# KiCad board keyboard.kicad_pcb (continued)
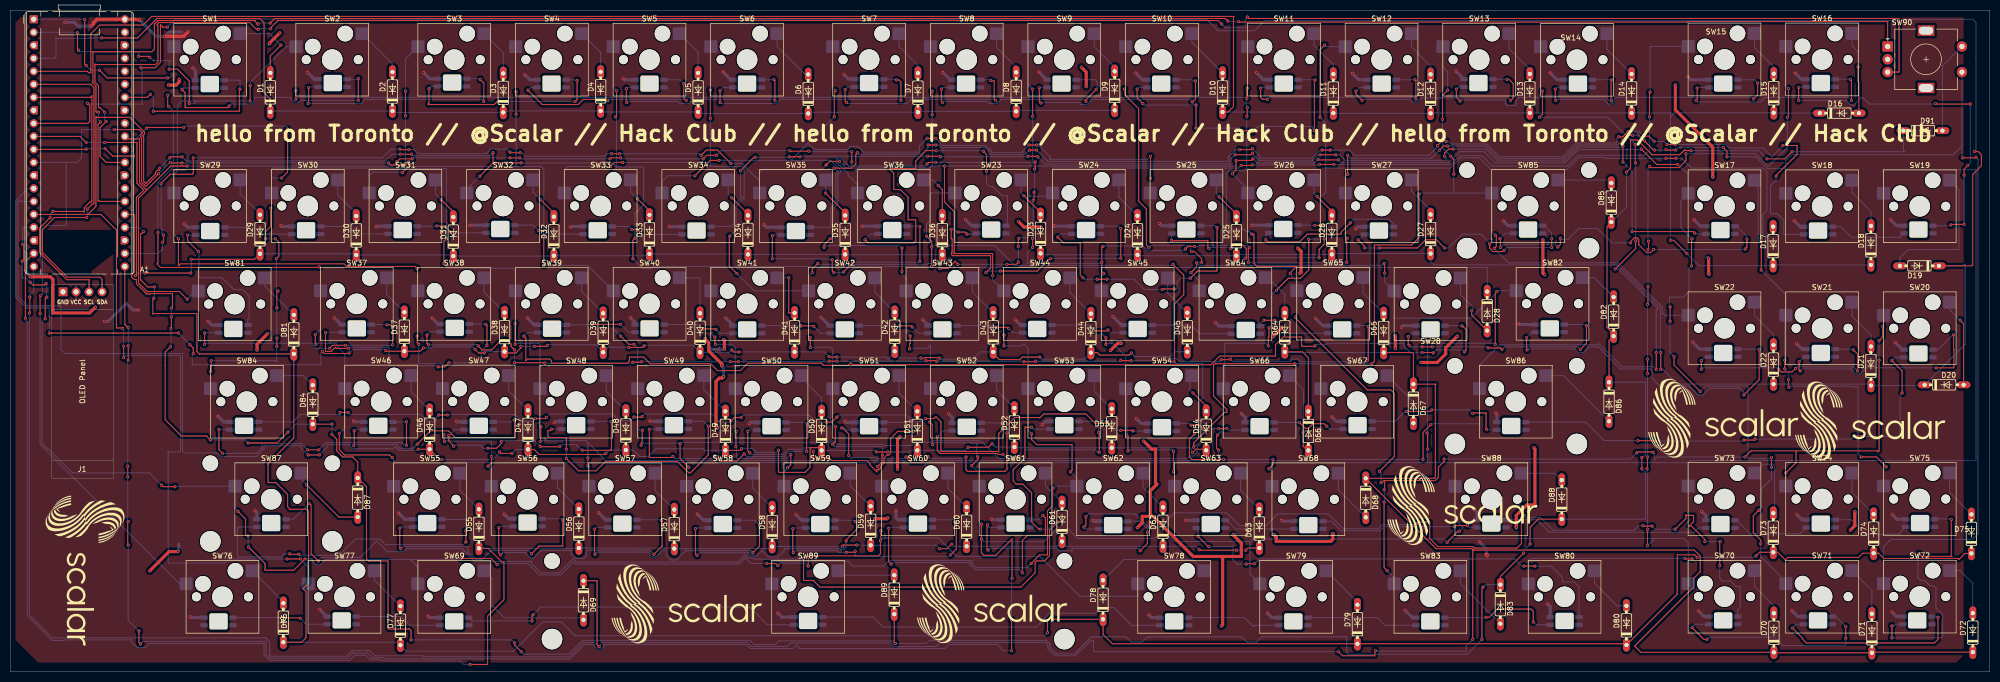
[diagram p0: board, top side]
## Nets
3V3: A1.36
+5V: A1.40 J1.2 LED1.1 LED2.1 LED3.1 LED4.1 LED5.1 LED6.1 LED7.1 LED8.1 LED9.1 LED10.1 LED11.1 LED12.1 LED13.1 LED14.1 LED15.1 LED16.1 LED17.1 LED18.1 LED19.1 LED20.1 LED21.1 LED22.1 LED23.1 LED24.1 LED25.1 LED26.1 LED27.1 LED28.1 LED29.1 LED30.1 LED31.1 LED32.1 LED33.1 LED34.1 LED35.1 LED36.1 LED37.1 LED38.1 LED39.1 LED40.1 LED41.1 LED42.1 LED43.1 LED44.1 LED45.1 LED46.1 LED47.1 LED48.1 LED49.1 LED50.1 LED51.1 LED52.1 LED53.1 LED54.1 LED55.1 LED56.1 LED57.1 LED58.1 LED59.1 LED60.1 LED61.1 LED62.1 LED63.1 LED64.1 LED65.1 LED66.1 LED67.1 LED68.1 LED69.1 LED70.1 LED71.1 LED72.1 LED73.1 LED74.1 LED75.1 LED76.1 LED77.1 LED78.1 LED79.1 LED80.1 LED81.1 LED82.1 LED83.1 LED84.1 LED85.1 LED86.1 LED87.1 LED88.1 LED89.1
GND: A1.3 A1.8 A1.13 A1.18 A1.23 A1.28 A1.38 J1.1 LED1.3 LED2.3 LED3.3 LED4.3 LED5.3 LED6.3 LED7.3 LED8.3 LED9.3 LED10.3 LED11.3 LED12.3 LED13.3 LED14.3 LED15.3 LED16.3 LED17.3 LED18.3 LED19.3 LED20.3 LED21.3 LED22.3 LED23.3 LED24.3 LED25.3 LED26.3 LED27.3 LED28.3 LED29.3 LED30.3 LED31.3 LED32.3 LED33.3 LED34.3 LED35.3 LED36.3 LED37.3 LED38.3 LED39.3 LED40.3 LED41.3 LED42.3 LED43.3 LED44.3 LED45.3 LED46.3 LED47.3 LED48.3 LED49.3 LED50.3 LED51.3 LED52.3 LED53.3 LED54.3 LED55.3 LED56.3 LED57.3 LED58.3 LED59.3 LED60.3 LED61.3 LED62.3 LED63.3 LED64.3 LED65.3 LED66.3 LED67.3 LED68.3 LED69.3 LED70.3 LED71.3 LED72.3 LED73.3 LED74.3 LED75.3 LED76.3 LED77.3 LED78.3 LED79.3 LED80.3 LED81.3 LED82.3 LED83.3 LED84.3 LED85.3 LED86.3 LED87.3 LED88.3 LED89.3 SW90.C
Column0: A1.1 SW1.1 SW10.1 SW19.1 SW28.1 SW37.1 SW46.1 SW55.1 SW64.1 SW73.1 SW82.1
Column1: A1.2 SW2.1 SW11.1 SW20.1 SW29.1 SW38.1 SW47.1 SW56.1 SW65.1 SW74.1 SW83.1
Column2: A1.11 SW3.1 SW12.1 SW21.1 SW30.1 SW39.1 SW48.1 SW57.1 SW66.1 SW75.1 SW84.1
Column3: A1.12 SW4.1 SW13.1 SW22.1 SW31.1 SW40.1 SW49.1 SW58.1 SW67.1 SW76.1 SW85.1
Column4: A1.16 SW5.1 SW14.1 SW23.1 SW32.1 SW41.1 SW50.1 SW59.1 SW68.1 SW77.1 SW86.1
Column5: A1.17 SW6.1 SW15.1 SW24.1 SW33.1 SW42.1 SW51.1 SW60.1 SW69.1 SW78.1 SW87.1
Column6: A1.21 SW7.1 SW16.1 SW25.1 SW34.1 SW43.1 SW52.1 SW61.1 SW70.1 SW79.1 SW88.1
Column7: A1.22 SW8.1 SW17.1 SW26.1 SW35.1 SW44.1 SW53.1 SW62.1 SW71.1 SW80.1 SW89.1
Column8: A1.31 SW9.1 SW18.1 SW27.1 SW36.1 SW45.1 SW54.1 SW63.1 SW72.1 SW81.1 SW90.S1
EC11A: A1.26 SW90.A
EC11B: A1.29 SW90.B
RGB: A1.34 LED1.4
ROW0: A1.4 D1.1 D2.1 D3.1 D4.1 D5.1 D6.1 D7.1 D8.1 D9.1
ROW1: A1.5 D10.1 D11.1 D12.1 D13.1 D14.1 D15.1 D16.1 D17.1 D18.1
ROW2: A1.9 D19.1 D20.1 D21.1 D22.1 D23.1 D24.1 D25.1 D26.1 D27.1
ROW3: A1.10 D28.1 D29.1 D30.1 D31.1 D32.1 D33.1 D34.1 D35.1 D36.1
ROW4: A1.14 D37.1 D38.1 D39.1 D40.1 D41.1 D42.1 D43.1 D44.1 D45.1
ROW5: A1.15 D46.1 D47.1 D48.1 D49.1 D50.1 D51.1 D52.1 D53.1 D54.1
ROW6: A1.19 D55.1 D56.1 D57.1 D58.1 D59.1 D60.1 D61.1 D62.1 D63.1
ROW7: A1.20 D64.1 D65.1 D66.1 D67.1 D68.1 D69.1 D70.1 D71.1 D72.1
ROW8: A1.24 D73.1 D74.1 D75.1 D76.1 D77.1 D78.1 D79.1 D80.1 D81.1
ROW9: A1.25 D82.1 D83.1 D84.1 D85.1 D86.1 D87.1 D88.1 D89.1 D91.1
S2: D91.2 SW90.S2
SCL1: A1.7 J1.3
SDA1: A1.6 J1.4
Net-(D1-A): D1.2 SW1.2
Net-(D2-A): D2.2 SW2.2
Net-(D3-A): D3.2 SW3.2
Net-(D4-A): D4.2 SW4.2
Net-(D5-A): D5.2 SW5.2
Net-(D6-A): D6.2 SW6.2
Net-(D7-A): D7.2 SW7.2
Net-(D8-A): D8.2 SW8.2
Net-(D9-A): D9.2 SW9.2
Net-(D10-A): D10.2 SW10.2
Net-(D11-A): D11.2 SW11.2
Net-(D12-A): D12.2 SW12.2
Net-(D13-A): D13.2 SW13.2
Net-(D14-A): D14.2 SW14.2
Net-(D15-A): D15.2 SW15.2
Net-(D16-A): D16.2 SW16.2
Net-(D17-A): D17.2 SW17.2
Net-(D18-A): D18.2 SW18.2
Net-(D19-A): D19.2 SW19.2
Net-(D20-A): D20.2 SW20.2
Net-(D21-A): D21.2 SW21.2
Net-(D22-A): D22.2 SW22.2
Net-(D23-A): D23.2 SW23.2
Net-(D24-A): D24.2 SW24.2
Net-(D25-A): D25.2 SW25.2
Net-(D26-A): D26.2 SW26.2
Net-(D27-A): D27.2 SW27.2
Net-(D28-A): D28.2 SW28.2
Net-(D29-A): D29.2 SW29.2
Net-(D30-A): D30.2 SW30.2
Net-(D31-A): D31.2 SW31.2
Net-(D32-A): D32.2 SW32.2
Net-(D33-A): D33.2 SW33.2
Net-(D34-A): D34.2 SW34.2
Net-(D35-A): D35.2 SW35.2
Net-(D36-A): D36.2 SW36.2
Net-(D37-A): D37.2 SW37.2
Net-(D38-A): D38.2 SW38.2
Net-(D39-A): D39.2 SW39.2
Net-(D40-A): D40.2 SW40.2
Net-(D41-A): D41.2 SW41.2
Net-(D42-A): D42.2 SW42.2
Net-(D43-A): D43.2 SW43.2
Net-(D44-A): D44.2 SW44.2
Net-(D45-A): D45.2 SW45.2
Net-(D46-A): D46.2 SW46.2
Net-(D47-A): D47.2 SW47.2
Net-(D48-A): D48.2 SW48.2
Net-(D49-A): D49.2 SW49.2
Net-(D50-A): D50.2 SW50.2
Net-(D51-A): D51.2 SW51.2
Net-(D52-A): D52.2 SW52.2
Net-(D53-A): D53.2 SW53.2
Net-(D54-A): D54.2 SW54.2
Net-(D55-A): D55.2 SW55.2
Net-(D56-A): D56.2 SW56.2
Net-(D57-A): D57.2 SW57.2
Net-(D58-A): D58.2 SW58.2
Net-(D59-A): D59.2 SW59.2
Net-(D60-A): D60.2 SW60.2
Net-(D61-A): D61.2 SW61.2
Net-(D62-A): D62.2 SW62.2
Net-(D63-A): D63.2 SW63.2
Net-(D64-A): D64.2 SW64.2
Net-(D65-A): D65.2 SW65.2
Net-(D66-A): D66.2 SW66.2
Net-(D67-A): D67.2 SW67.2
Net-(D68-A): D68.2 SW68.2
Net-(D69-A): D69.2 SW69.2
Net-(D70-A): D70.2 SW70.2
Net-(D71-A): D71.2 SW71.2
Net-(D72-A): D72.2 SW72.2
Net-(D73-A): D73.2 SW73.2
Net-(D74-A): D74.2 SW74.2
Net-(D75-A): D75.2 SW75.2
Net-(D76-A): D76.2 SW76.2
Net-(D77-A): D77.2 SW77.2
Net-(D78-A): D78.2 SW78.2
Net-(D79-A): D79.2 SW79.2
Net-(D80-A): D80.2 SW80.2
Net-(D81-A): D81.2 SW81.2
Net-(D82-A): D82.2 SW82.2
Net-(D83-A): D83.2 SW83.2
Net-(D84-A): D84.2 SW84.2
Net-(D85-A): D85.2 SW85.2
Net-(D86-A): D86.2 SW86.2
Net-(D87-A): D87.2 SW87.2
Net-(D88-A): D88.2 SW88.2
Net-(D89-A): D89.2 SW89.2
Net-(LED1-DOUT): LED1.2 LED2.4
Net-(LED2-DOUT): LED2.2 LED3.4
Net-(LED3-DOUT): LED3.2 LED4.4
Net-(LED4-DOUT): LED4.2 LED5.4
Net-(LED5-DOUT): LED5.2 LED6.4
Net-(LED6-DOUT): LED6.2 LED7.4
Net-(LED7-DOUT): LED7.2 LED8.4
Net-(LED8-DOUT): LED8.2 LED9.4
Net-(LED10-DIN): LED9.2 LED10.4
Net-(LED10-DOUT): LED10.2 LED11.4
Net-(LED11-DOUT): LED11.2 LED12.4
Net-(LED12-DOUT): LED12.2 LED13.4
Net-(LED13-DOUT): LED13.2 LED14.4
Net-(LED14-DOUT): LED14.2 LED15.4
Net-(LED15-DOUT): LED15.2 LED16.4
Net-(LED16-DOUT): LED16.2 LED17.4
Net-(LED17-DOUT): LED17.2 LED18.4
Net-(LED18-DOUT): LED18.2 LED27.4
Net-(LED19-DIN): LED19.4 LED20.2
Net-(LED19-DOUT): LED19.2 LED28.4
Net-(LED20-DIN): LED20.4 LED21.2
Net-(LED21-DIN): LED21.4 LED22.2
Net-(LED22-DIN): LED22.4 LED23.2
Net-(LED23-DIN): LED23.4 LED24.2
Net-(LED24-DIN): LED24.4 LED25.2
Net-(LED25-DIN): LED25.4 LED26.2
Net-(LED26-DIN): LED26.4 LED27.2
Net-(LED28-DOUT): LED28.2 LED29.4
Net-(LED29-DOUT): LED29.2 LED30.4
Net-(LED30-DOUT): LED30.2 LED31.4
Net-(LED31-DOUT): LED31.2 LED32.4
Net-(LED32-DOUT): LED32.2 LED33.4
Net-(LED33-DOUT): LED33.2 LED34.4
Net-(LED34-DOUT): LED34.2 LED35.4
Net-(LED35-DOUT): LED35.2 LED36.4
Net-(LED36-DOUT): LED36.2 LED45.4
Net-(LED37-DIN): LED37.4 LED38.2
Net-(LED37-DOUT): LED37.2 LED46.4
Net-(LED38-DIN): LED38.4 LED39.2
Net-(LED39-DIN): LED39.4 LED40.2
Net-(LED40-DIN): LED40.4 LED41.2
Net-(LED41-DIN): LED41.4 LED42.2
Net-(LED42-DIN): LED42.4 LED43.2
Net-(LED43-DIN): LED43.4 LED44.2
Net-(LED44-DIN): LED44.4 LED45.2
Net-(LED46-DOUT): LED46.2 LED47.4
Net-(LED47-DOUT): LED47.2 LED48.4
Net-(LED48-DOUT): LED48.2 LED49.4
Net-(LED49-DOUT): LED49.2 LED50.4
Net-(LED50-DOUT): LED50.2 LED51.4
Net-(LED51-DOUT): LED51.2 LED52.4
Net-(LED52-DOUT): LED52.2 LED53.4
Net-(LED53-DOUT): LED53.2 LED54.4
Net-(LED54-DOUT): LED54.2 LED63.4
Net-(LED55-DIN): LED55.4 LED56.2
Net-(LED55-DOUT): LED55.2 LED64.4
Net-(LED56-DIN): LED56.4 LED57.2
Net-(LED57-DIN): LED57.4 LED58.2
Net-(LED58-DIN): LED58.4 LED59.2
Net-(LED59-DIN): LED59.4 LED60.2
Net-(LED60-DIN): LED60.4 LED61.2
Net-(LED61-DIN): LED61.4 LED62.2
Net-(LED62-DIN): LED62.4 LED63.2
Net-(LED64-DOUT): LED64.2 LED65.4
Net-(LED65-DOUT): LED65.2 LED66.4
Net-(LED66-DOUT): LED66.2 LED67.4
Net-(LED67-DOUT): LED67.2 LED68.4
Net-(LED68-DOUT): LED68.2 LED69.4
Net-(LED69-DOUT): LED69.2 LED70.4
Net-(LED70-DOUT): LED70.2 LED71.4
Net-(LED71-DOUT): LED71.2 LED72.4
Net-(LED72-DOUT): LED72.2 LED81.4
Net-(LED73-DIN): LED73.4 LED74.2
Net-(LED73-DOUT): LED73.2 LED82.4
Net-(LED74-DIN): LED74.4 LED75.2
Net-(LED75-DIN): LED75.4 LED76.2
Net-(LED76-DIN): LED76.4 LED77.2
Net-(LED77-DIN): LED77.4 LED78.2
Net-(LED78-DIN): LED78.4 LED79.2
Net-(LED79-DIN): LED79.4 LED80.2
Net-(LED80-DIN): LED80.4 LED81.2
Net-(LED82-DOUT): LED82.2 LED83.4
Net-(LED83-DOUT): LED83.2 LED84.4
Net-(LED84-DOUT): LED84.2 LED85.4
Net-(LED85-DOUT): LED85.2 LED86.4
Net-(LED86-DOUT): LED86.2 LED87.4
Net-(LED87-DOUT): LED87.2 LED88.4
Net-(LED88-DOUT): LED88.2 LED89.4

Pads without a net: A1 27 30 32 33 35 37 39; LED89 2; SW90 MP

## Via types
v1: diameter 0.6, hole 0.3, Top to Bottom, 1048 vias

## Routing (per net, layer and track width the routed paths; a pad name or vN(x,y) marks a point on that pad's centre or on a via; arc(x,y) is an arc through that point)
+5V: length 266.6
  Top w0.6: v1(34.69,124.92) 34.62,124.86 34.62,124.86 33.82,124.05 v1(30.11,124.05) ; v1(15.79,126.03) 16.27,126.52 16.27,126.75 16.9,127.38 20.7,127.38 ; v1(288.22,22.62) 288.22,22.78 288.04,22.97 ; 25.04,127.22 25.2,127.22 v1(25.23,127.25) ; 20.7,127.38 24.48,127.38 ; 20.7,127.38 A1.40
  Bottom w0.6: v1(134.09,30.78) 135.29,29.57 LED68.1 ; v1(147.06,87.28) 147.56,86.78 LED27.1 ; LED89.1 35.29,10.57 v1(35.12,10.74) ; v1(52.84,87.09) 53.01,86.92 LED32.1 ; LED2.1 59.34,115.67 v1(58.01,117) ; LED41.1 179.12,67.65 v1(178.07,68.69) ; LED48.1 329.71,62.97 v1(328.35,64.34) ; v1(30.11,124.05) 28.45,124.05 v1(25.23,127.25) ; LED57.1 163.11,48.68 v1(162.89,48.9) ; v1(367.3,30.69) 368.21,29.78 LED78.1 ; v1(139.14,117.06) 140.64,115.56 LED6.1 ; v1(109.32,86.81) 109.44,86.92 LED29.1 ; LED20.1 292.33,87.08 v1(291.39,88.02) ; LED47.1 294.55,67.78 v1(294.42,67.91) ; LED11.1 244.59,115.56 v1(243.18,116.97) ; LED55.1 202.06,48.88 v1(201.39,48.22) ; 107.67,48.88 106.38,48.88 v1(106.16,48.66) ; v1(219.62,116.89) 220.94,115.56 LED10.1 ; v1(224.31,87.5) 224.73,87.08 LED23.1 ; LED83.1 273.65,10.57 v1(272.24,11.99) ; LED3.1 81.88,115.77 v1(80.69,116.97) ; LED74.1 248.31,29.38 v1(248.12,29.56) ; LED80.1 348.89,10.78 v1(347.73,11.94) ; v1(153.29,30.72) 154.44,29.57 LED69.1 ; v1(183.11,50.38) 183.87,49.62 LED56.1 ; 300.55,10.75 LED82.1 300.55,12.73 v1(300.06,13.22) ; v1(10.62,126.78) 12.51,126.78 13.25,126.03 v1(15.79,126.03) ; v1(149.78,11.46) 150.56,10.68 LED86.1 ; LED88.1 61.77,10.78 v1(60.37,12.18) ; LED13.1 283.71,115.67 v1(282.16,117.22) ; v1(40.55,49.88) 41.66,48.78 LED63.1 ; LED84.1 246.22,10.57 v1(245.34,11.46) ; LED5.1 119.85,115.56 v1(119.62,115.8) ; v1(261.94,116.81) 263.18,115.56 LED12.1 ; LED39.1 141.03,67.66 v1(139.62,69.06) ; LED24.1 203.81,86.97 v1(203.69,87.09) ; v1(191.54,29.79) 191.66,29.68 LED71.1 ; LED38.1 121.97,68.18 v1(121.03,69.12) ; v1(348.37,116.86) 349.56,115.67 LED16.1 ; v1(63.24,69.1) 64.57,67.78 LED35.1 ; v1(219.76,49.41) 220.7,48.47 LED54.1 ; LED81.1 330.56,10.78 v1(329.46,11.88) ; LED43.1 216.86,67.68 v1(215.19,69.35) ; v1(289.91,50.49) 290.15,50.25 LED51.1 ; LED8.1 183.44,115.56 v1(182,117) ; LED17.1 368.15,87.08 v1(366.97,88.25) ; v1(144.22,48.44) 144.45,48.68 LED58.1 ; v1(271.5,67.25) 271.83,67.57 LED46.1 ; v1(35.63,117.84) 36.15,117.33 LED1.1 ; v1(33.95,87.44) 34.62,86.78 LED33.1 ; LED77.1 349.69,29.68 v1(348.65,30.72) ; LED7.1 163.64,115.67 v1(162.75,116.56) ; v1(222.22,11.09) 222.73,10.57 LED85.1 ; LED14.1 301.89,115.56 v1(300.53,116.92) ; LED34.1 39.38,67.68 v1(38.61,68.44) ; v1(235.19,68.16) 235.87,67.47 LED44.1 ; LED21.1 263.03,86.88 v1(262.61,86.45) ; LED67.1 116.17,29.68 v1(114.84,31.01) ; v1(285.62,31.76) 286.26,31.13 LED75.1 286.08,29.68 ; LED28.1 128.66,86.88 v1(128.61,86.92) ; LED18.1 349.31,86.88 v1(348.18,88.02) ; LED37.1 102.25,67.72 v1(100.91,69.06) ; LED87.1 81.81,10.57 v1(81.54,10.84) ; v1(71.38,86.88) 71.49,86.97 LED31.1 ; v1(200.75,117.08) 202.28,115.56 LED9.1 ; v1(288.22,22.62) 288.15,22.69 288.15,23.94 v1(286.67,25.42) ; LED30.1 89.72,87.17 v1(89.66,87.11) ; LED26.1 166.29,86.97 v1(166.25,86.92) ; LED4.1 101.41,115.56 v1(100.44,116.53) ; v1(254.72,68.99) 256.12,67.57 LED45.1 ; LED53.1 241.02,49.64 v1(240.23,50.43) ; v1(196.16,68.69) 197.19,67.68 LED42.1 ; LED25.1 187.61,87.08 v1(186.42,88.27) ; v1(367.28,11.63) 368.14,10.78 LED79.1 ; LED19.1 329.88,86.97 v1(328.65,88.2) ; LED49.1 349.71,62.97 v1(348.64,64.04) ; v1(47.77,31.46) 48.14,31.08 LED64.1 ; v1(87.07,48.93) 87.22,48.78 LED61.1 ; LED73.1 229.44,29.57 v1(229.44,29.56) ; v1(211.31,29.5) 211.44,29.38 LED72.1 ; v1(158.23,69.19) 159.84,67.57 LED40.1 ; v1(66.97,48.96) 67.16,48.78 LED62.1 ; LED76.1 330.97,30.43 v1(330.09,31.31) ; LED15.1 328.03,115.56 v1(327.43,116.17) ; 126.72,48.88 124.94,48.88 v1(124.84,48.97) ; v1(242.34,87.16) 242.35,87.17 LED22.1 ; LED70.1 173.25,29.68 172.85,30.06 v1(172.85,31.47) ; v1(75.78,30.97) 76.97,29.78 LED65.1 ; LED66.1 97.28,29.88 v1(96.41,30.75) ; LED50.1 369.28,62.88 v1(367.88,64.28) ; v1(18.36,68.38) 19.11,68.38 22.65,71.93 23.94,70.63 v1(25.02,70.63) ; LED36.1 83.52,67.88 v1(82.34,69.06) ; LED52.1 258.81,48.88 v1(257.93,49.76)
GND: length 242.2
  Top w0.6: v1(201.19,86.81) 197.84,86.81 v1(196.76,87.89) ; v1(360,31.25) 360,28.51 v1(359.12,27.65) ; v1(282.4,65.5) 280.15,63.25 280.15,62.03 278.49,60.38 v1(275.33,60.38) ; v1(168.7,29.85) 171.06,29.85 v1(171.26,30.06) ; v1(324.98,114.53) 324.98,109.69 332.28,102.39 v1(332.28,96.56) ; v1(27.25,19.72) 30.98,23.46 v1(32.7,23.46) ; v1(258.12,27) 258.12,26.97 258.12,26.97 258.12,25.84 257.72,25.44 247.08,25.44 247.08,26.29 v1(246.56,26.81) ; v1(331.54,77.58) 331.47,77.66 v1(331.47,80.69) ; v1(50.24,66.01) 48.16,63.94 v1(48.16,62.81) ; v1(139.22,57.63) 138.91,57.32 138.38,57.32 137.73,56.68 137.73,47.94 v1(138,47.68) ; v1(216.81,64.12) 216.14,64.12 v1(214.72,62.69) ; 222.48,30.34 223.03,30.34 230.86,22.5 236.61,22.5 ; 222.48,30.34 220.92,30.34 220.92,29.09 v1(219.97,28.13) ; 222.48,30.34 222.48,35.31 223.79,36.62 223.51,36.91 223.51,43.47 222.75,43.47 v1(221.2,45.01) ; v1(246.42,65.41) 248.16,67.13 v1(248.16,67.28) ; 236.61,22.5 236.61,9.18 v1(236.37,8.94) ; 236.61,22.5 240.25,22.5 240.25,25.1 v1(238.65,26.72) ; v1(173.66,45.85) 173.16,45.37 v1(173.16,39.53) ; v1(135.64,65.07) 135.64,64.9 136.34,64.21 136.34,62.6 138.88,60.06 v1(138.88,59.72) ; v1(297.37,43.75) 297.56,43.56 297.56,32.56 295.96,32.56 293.92,30.51 v1(293.92,28.22) ; v1(139.38,63) 139.38,64.71 v1(139.25,64.82) ; v1(299.12,84.3) 299.12,77.83 v1(299.44,77.52) ; v1(251.28,82.69) 251.87,82.09 251.91,82.09 251.91,78.03 v1(251.7,77.81) ; v1(50.63,122.62) 50.63,122.73 v1(52.6,124.7) ; v1(270.3,65.57) 270.31,65.56 v1(270.31,63.13) ; v1(3.9,77.11) 7.83,77.11 8.33,76.61 8.33,70.06 8.3,70.04 15.48,70.04 v1(16.61,71.16) ; v1(32.97,115.66) 32.97,115.27 33.04,115.19 32.37,114.53 v1(30.87,114.53) ; v1(209.98,114.23) 209.98,117.06 v1(209.04,118)
  Bottom w0.6: 293.92,28 v1(293.92,28.22) ; 209.98,114.2 v1(209.98,114.23) ; 3.17,77.86 3.9,77.14 v1(3.9,77.11) ; 3.17,77.86 3.24,77.86 ; 3.17,77.86 3.17,81.72 2.96,81.92 ; v1(251.7,77.81) 251.72,77.78 251.72,77.75 ; 33.48,124.91 31.05,124.91 30.76,124.61 ; v1(138,47.68) 138,47.66 138,47.57 ; 239.22,26.84 238.78,26.84 v1(238.65,26.72) ; v1(360,31.25) 360,31.22 360.06,31.16 ; 216.82,64.12 v1(216.81,64.12) ; 270.31,63.07 v1(270.31,63.13) ; 331.17,80.81 331.35,80.81 v1(331.47,80.69) ; v1(139.38,63) 139.34,62.97 136.81,62.97 136.47,63.31 ; v1(324.98,114.53) 324.98,114.47 324.89,114.39 ; 168.73,29.82 v1(168.7,29.85) ; 50.46,122.5 50.49,122.5 v1(50.63,122.62) ; 248.16,67.28 v1(248.16,67.28) ; v1(138.88,59.72) 139.22,59.38 v1(139.22,57.63) ; v1(32.7,23.46) 32.88,23.63 32.88,24.9 ; 275.33,60.41 v1(275.33,60.38) ; 201.22,86.8 201.22,86.8 v1(201.19,86.81) ; 299.12,84.42 v1(299.12,84.3)
Column0: length 749.2
  Top w0.2: v1(30.73,115.92) 18.93,115.92 v1(17.43,117.42) ; v1(230.53,82.03) 231.12,82.03 232.53,80.62 v1(232.53,79.92) ; v1(14.83,118.33) 14.52,118.62 v1(14.52,127.33) ; v1(217.42,113.72) 217.53,113.62 217.53,112.62 220.22,109.92 220.22,91.83 221.72,90.33 221.72,83.33 v1(222.22,82.83) ; v1(289.83,63.92) 289.83,73.92 v1(290.12,74.22) ; v1(28.83,85.72) 28.83,79.83 28.62,79.62 29.33,78.92 60.23,78.92 v1(60.32,79.03) ; v1(276.53,46.62) 276.62,46.53 v1(276.62,43.43) ; v1(30.73,112.53) 30.73,110.53 v1(30.93,110.33) ; v1(59.63,63.92) 59.52,64.02 v1(59.52,65.82) ; v1(268.23,77.83) 268.23,79.62 v1(268.12,79.72) ; v1(64.22,46.53) 64.22,43.32 65.22,42.32 74.03,42.32 v1(74.53,41.82) ; v1(231.53,79.83) 231.53,79.03 v1(230.42,77.92)
  Bottom w0.2: SW73.1 327.47,40.67 327.53,40.72 327.43,40.82 ; v1(217.42,113.72) 217.68,113.98 SW10.1 ; v1(17.43,117.42) 15.73,117.42 v1(14.83,118.33) ; 327.43,40.82 276.62,40.82 ; 327.43,40.82 327.83,41.22 383.62,41.22 383.62,97.92 383.53,98.03 365.73,98.03 365.43,97.72 365.57,97.58 SW19.1 ; 31.94,122.03 31.94,116.72 ; 31.94,116.72 31.94,113.74 v1(30.73,112.53) ; 31.94,116.72 31.14,115.92 v1(30.73,115.92) ; 276.62,40.82 75.22,40.82 74.82,41.22 ; 276.62,40.82 v1(276.62,43.43) ; v1(64.22,46.53) 65.29,47.59 SW46.1 65.29,62.06 63.63,63.72 63.63,64.12 59.82,64.12 v1(59.63,63.92) ; SW64.1 232.02,76.33 v1(230.42,77.92) ; v1(28.83,85.72) 28.83,95.53 31.83,98.53 31.83,109.42 v1(30.93,110.33) ; v1(60.32,79.03) 60.54,78.81 SW37.1 60.54,66.84 v1(59.52,65.82) ; v1(222.22,82.83) 222.62,83.22 230.32,83.22 230.32,82.22 v1(230.53,82.03) ; 74.82,41.22 74.82,41.53 v1(74.53,41.82) ; 74.82,41.22 SW55.1 ; v1(276.53,46.62) 276.62,46.72 276.62,64.12 289.63,64.12 v1(289.83,63.92) ; A1.1 14.48,127.38 v1(14.52,127.33) ; v1(268.23,77.83) 268.23,76.2 SW28.1 270.1,69.15 270.23,69.03 285.08,69.03 290.12,74.07 v1(290.12,74.22) 290.29,74.39 SW82.1 ; v1(232.53,79.92) 232.12,79.92 232.03,79.83 v1(231.53,79.83) 232.02,79.33 267.73,79.33 v1(268.12,79.72)
Column1: length 681
  Top w0.2: v1(279.83,41.53) 279.83,41.03 278.73,39.93 278.73,37.96 278.09,37.32 268.12,37.32 ; v1(268.12,35.53) 268.23,35.62 268.23,37.22 268.12,37.32 ; v1(27.23,119.92) 27.02,120.12 v1(25.02,120.12) ; v1(346.53,38.82) 348.53,40.82 348.53,43.12 ; v1(13.12,124.72) 13.12,121.53 v1(13.33,121.33) ; 268.12,37.32 267.73,36.93 v1(267.53,36.93) ; v1(249.83,77.72) 249.83,77.92 251.03,79.12 251.12,79.12 243.33,79.12 242.72,79.72 242.72,85.42 242.71,85.44 v1(242.28,85.44) ; v1(267.23,39.12) 270.12,42.03 270.12,54.32 269.43,55.03 264.83,55.03 250.83,69.03 v1(250.83,69.22) ; v1(320.62,42.82) 320.53,42.93 317.62,42.93 v1(317.43,42.72) ; v1(34.93,110.92) 34.93,115.33 32.62,117.62 v1(31.02,117.62) ; v1(79.72,63.92) 79.43,64.22 v1(79.43,65.53) ; v1(241.33,108.42) 241.42,108.53 v1(241.42,110.12) ; 348.53,43.12 364.33,43.12 364.53,42.93 364.73,43.12 v1(364.73,60.82) ; 348.53,43.12 339.73,43.12 v1(338.53,41.93) ; v1(268.73,19.72) 268.12,20.32 v1(268.12,33.12) ; v1(84.72,44.92) 84.62,45.02 v1(84.62,46.32) ; v1(46.82,114.42) v1(46.82,111.42) ; v1(93.22,40.12) 93.93,40.82 v1(93.93,42.03) ; v1(365.43,67.43) 365.43,65.32 v1(364.73,64.62) ; v1(55.73,113.42) v1(55.73,111.72) ; v1(241.33,111.92) 241.33,113.83 v1(241.42,113.92) ; v1(32.83,84.53) 32.83,79.42 32.92,79.33 33.23,79.63 65.12,79.63 65.62,79.12 79.03,79.12 v1(79.43,78.72)
  Bottom w0.2: SW83.1 270.07,18.38 v1(268.73,19.72) ; 36.33,111.42 35.83,110.92 v1(34.93,110.92) ; 36.33,111.42 v1(46.82,111.42) ; 36.33,111.42 33.52,111.42 32.62,110.53 32.62,97.72 31.93,97.03 31.94,97.01 31.94,85.41 v1(32.83,84.53) ; v1(317.43,42.72) 316.23,41.53 v1(279.83,41.53) ; v1(79.72,63.92) 79.72,60.22 79.62,60.12 84.03,60.12 84.34,59.81 SW47.1 84.34,46.6 v1(84.62,46.32) ; v1(241.42,110.12) 241.33,110.22 v1(241.33,111.92) 241.12,112.12 59.13,112.12 56.12,112.12 v1(55.73,111.72) ; v1(84.72,44.92) 84.83,45.03 93.93,45.03 v1(93.93,42.03) ; v1(27.23,119.92) 27.83,119.33 31.43,119.33 31.02,118.92 v1(31.02,117.62) ; v1(241.33,108.42) 241.33,98.03 241.42,97.92 241.33,97.83 237.92,97.83 237.33,97.23 237.33,86.42 240.72,86.42 241.25,85.89 241.83,85.89 v1(242.28,85.44) ; v1(250.83,69.22) 250.83,69.53 251.09,69.79 SW65.1 251.09,76.25 249.83,77.53 v1(249.83,77.72) ; v1(365.43,67.43) 365.57,67.57 SW20.1 ; SW74.1 346.52,38.82 v1(346.53,38.82) ; v1(13.12,124.72) 13.02,124.83 A1.2 ; SW56.1 93.88,39.47 v1(93.22,40.12) ; v1(268.12,35.53) 268.23,35.43 268.23,33.22 v1(268.12,33.12) ; v1(267.53,36.93) 267.53,38.82 v1(267.23,39.12) ; v1(338.53,41.93) 321.53,41.93 320.93,41.32 320.93,42.53 v1(320.62,42.82) ; v1(79.43,65.53) 79.53,65.63 SW38.1 79.53,78.62 v1(79.43,78.72) ; SW11.1 241.49,114 v1(241.42,113.92) ; v1(364.73,64.62) v1(364.73,60.82) ; v1(13.33,121.33) 13.62,121.03 25.12,121.03 25.12,120.22 v1(25.02,120.12) ; v1(55.73,113.42) 55.73,122 SW2.1 53.83,122.03 46.82,115.03 v1(46.82,114.42)
Column2: length 675.5
  Top w0.2: v1(26.58,106.1) 26.73,106.25 33.83,106.25 v1(33.85,106.22) ; v1(245.53,63.62) 245.53,65.22 245.65,65.35 v1(245.65,67.15) ; v1(112.72,41.72) v1(112.72,40.22) ; v1(361.23,41.93) 364.23,41.93 v1(366.12,40.03) ; v1(39.12,58.62) 39.23,58.72 v1(39.23,60.72) ; v1(347.03,57.03) 347.03,55.62 v1(347.12,55.53) ; v1(255.62,108.22) 255.62,121.42 v1(256.53,122.33) ; v1(24.02,100.65) 23.8,100.65 23.77,100.67 19.98,100.67 v1(18.52,102.12) ; v1(52.02,71.03) 52.02,74.12 v1(52.23,74.33) ; v1(54.13,105.92) 54.13,97.55 v1(52.95,96.38) ; v1(235.83,43.25) 235.42,43.66 235.42,46.03 v1(235.62,46.22) ; v1(341.73,84.62) v1(341.73,78.42) ; v1(52.02,63.52) v1(52.02,65.12) ; v1(51.73,84.53) 52.43,83.82 52.43,81.13 v1(51.93,80.62) ; v1(50.82,90.53) 50.82,86.92 49.82,85.92 v1(49.82,84.53) ; v1(85.12,84.53) 84.62,84.03 v1(84.62,79.62) ; v1(323.12,100.22) v1(325.12,100.22) ; v1(103.56,47.82) 103.53,47.78 103.53,45.02 v1(103.43,44.92) ; A1.11 14.77,101.97 v1(14.83,102.03) ; v1(77.12,113.33) v1(77.12,108.53) ; v1(98.53,67.97) v1(98.53,63.92) ; v1(253.42,84.42) 253.42,78.42 251.83,76.83 249.42,76.83 247.12,74.53 v1(247.12,74.42) ; v1(346.33,60.82) v1(346.33,59.12)
  Bottom w0.2: 256.73,98.33 256.73,107.12 v1(255.62,108.22) ; 256.73,98.33 281.03,98.33 283.03,100.33 286.73,100.33 289.03,98.03 303.83,98.03 306.23,100.42 311.23,100.42 311.43,100.22 v1(323.12,100.22) ; 256.73,98.33 256.73,93.62 255.62,92.53 255.62,84.42 v1(253.42,84.42) ; v1(14.83,102.03) 14.93,102.12 v1(18.52,102.12) ; v1(77.12,113.33) 77.12,119.58 SW3.1 ; v1(51.93,80.62) 51.93,74.62 v1(52.23,74.33) ; v1(361.23,41.93) 360.62,42.53 360.62,55.62 359.45,55.62 359.33,55.75 347.35,55.75 v1(347.12,55.53) ; v1(39.12,58.62) 39.09,58.59 SW84.1 ; v1(52.02,63.52) 52.02,60.43 51.73,60.72 v1(39.23,60.72) ; v1(235.83,43.25) 235.83,41.32 235.73,41.23 116.22,41.23 112.72,44.72 ; SW75.1 365.58,39.47 v1(366.12,40.03) ; v1(50.82,90.53) 50.99,90.69 SW30.1 50.99,96.45 ; v1(245.65,67.15) 246.12,67.62 246.12,73.53 247.03,74.42 v1(247.12,74.42) ; v1(347.03,57.03) 347.03,58.43 v1(346.33,59.12) ; v1(24.02,100.65) 24.02,103.55 v1(26.58,106.1) ; 77.03,98.33 77.12,98.22 85.12,98.22 v1(85.12,84.53) ; 77.03,98.33 51.23,98.33 50.82,97.92 50.99,97.76 50.99,96.45 ; 77.03,98.33 77.12,98.42 v1(77.12,108.53) ; v1(235.62,46.22) 236.73,47.34 SW66.1 237.03,55.56 237.03,64.12 245.03,64.12 v1(245.53,63.62) ; SW57.1 112.92,40.03 v1(112.72,40.22) ; v1(256.53,122.33) 256.82,122.03 SW12.1 ; v1(98.53,63.92) 98.53,63.92 98.73,64.12 103.12,64.12 103.38,63.86 SW48.1 103.38,48 v1(103.56,47.82) ; v1(51.73,84.53) v1(49.82,84.53) ; v1(103.43,44.92) 103.62,45.12 112.32,45.12 112.72,44.72 ; v1(341.73,84.62) 342.03,84.92 342.03,89.22 342.83,90.03 342.83,97.62 342.12,98.33 328.12,98.33 326.23,100.22 v1(325.12,100.22) ; 50.99,96.45 51.07,96.38 v1(52.95,96.38) ; v1(98.53,67.97) 98.53,74.3 SW39.1 98.58,78.27 98.08,78.77 85.48,78.77 v1(84.62,79.62) ; v1(112.72,41.72) 112.72,44.72 112.72,44.72 ; v1(346.33,60.82) 346.33,69.39 SW21.1 346.52,73.63 v1(341.73,78.42) ; v1(54.13,105.92) 53.98,106.08 53.98,106.52 34.15,106.52 v1(33.85,106.22) ; v1(52.02,65.12) v1(52.02,71.03)
Column3: length 642.8
  Top w0.2: v1(5.93,73.42) 5.83,73.33 v1(5.83,69.93) ; v1(289.83,85.22) 290.03,85.03 290.03,83.03 v1(289.62,82.62) ; v1(279.53,107.83) 279.53,112.53 v1(280.53,113.53) ; v1(265.73,60.12) 266.23,60.62 266.23,83.22 266.33,83.33 273.53,83.33 274.93,84.72 v1(274.93,93.22) ; v1(250.72,60.12) 235.32,60.12 235.22,60.22 234.82,59.82 234.82,53.82 237.42,51.22 237.42,50.62 236.92,50.62 231,44.71 231,44.28 230.95,44.22 v1(230.95,43.85) ; v1(281.73,97.12) 281.73,100.03 v1(281.12,100.62) ; v1(77.72,99.53) 77.12,98.92 74.23,98.92 v1(73.82,99.33) ; v1(121.72,63.92) 120.73,63.92 v1(119.12,65.53) ; v1(33.52,99.33) 31.33,99.33 v1(31.23,99.42) ; v1(132.42,39.93) 130.72,41.62 v1(130.72,44.53) ; v1(123.13,44.21) 123.13,44.63 123.32,44.82 123.32,47.09 v1(123.41,47.18) ; v1(78.03,98.92) v1(76.53,97.42) ; v1(20.33,105.83) 25.12,105.83 25.83,105.12 25.43,104.72 25.43,104.41 25.65,104.19 25.65,103.86 25.63,103.84 25.63,95.59 26.46,94.76 v1(28.93,97.22) ; v1(104.12,85.03) v1(104.12,79.33) ; v1(98.72,113.22) v1(98.72,108.83)
  Bottom w0.2: 10.93,99.44 13.04,99.44 13.93,100.33 13.93,105.83 v1(20.33,105.83) ; 10.93,99.44 10.93,87.12 7.11,87.12 6.27,86.29 6.27,73.77 v1(5.93,73.42) ; 10.93,99.44 A1.12 ; 98.62,98.62 103.62,98.62 104.12,98.12 v1(104.12,85.03) ; 98.62,98.62 98.72,98.62 v1(98.72,108.83) ; 98.62,98.62 78.32,98.62 v1(78.03,98.92) 78.03,99.22 v1(77.72,99.53) ; SW4.1 98.62,113.33 v1(98.72,113.22) ; SW22.1 322.96,69.59 322.73,69.82 322.43,69.82 322.43,71.19 313.79,79.83 292.42,79.83 v1(289.62,82.62) ; v1(274.93,93.22) 275.15,93.44 281.73,93.44 ; v1(265.73,60.12) 265.68,60.07 255.58,60.07 ; SW58.1 131.97,39.47 v1(132.42,39.93) ; 255.58,60.07 255.78,59.87 SW67.1 ; 255.58,60.07 255.53,60.12 v1(250.72,60.12) ; 281.73,93.44 v1(281.73,97.12) ; 281.73,93.44 SW85.1 289.15,85.91 v1(289.83,85.22) ; v1(31.23,99.42) 31.12,99.42 v1(28.93,97.22) ; v1(123.41,47.18) 122.67,47.18 122.44,47.41 SW49.1 122.44,63.21 v1(121.72,63.92) ; v1(230.95,43.85) 231.33,44.22 231.64,44.22 231.64,42.84 230.91,42.1 230.24,42.1 229.76,41.63 192.92,41.63 189.76,44.78 189.33,44.78 189.33,44.89 189.09,45.12 180.26,45.12 180.06,44.93 179.78,44.93 179.64,44.78 177.47,44.78 177.42,44.84 176.62,44.84 175.96,44.18 170.59,44.18 170.39,44.38 161.42,44.38 160.77,45.03 160.28,45.03 160.04,44.78 158.79,44.78 158.74,44.83 157.95,44.83 157.9,44.78 140.02,44.78 139.97,44.84 139.17,44.84 139.12,44.78 130.98,44.78 v1(130.72,44.53) 130.62,44.62 123.56,44.62 v1(123.13,44.21) ; SW76.1 33.05,17.16 5.83,44.39 v1(5.83,69.93) ; SW31.1 70.04,96.84 70.72,97.53 76.43,97.53 v1(76.53,97.42) ; v1(280.53,113.53) 280.53,117.12 279.53,118.12 279.6,118.19 SW13.1 ; v1(104.12,79.33) 112.72,79.33 SW40.1 117.69,66.96 v1(119.12,65.53) ; v1(73.82,99.33) v1(33.52,99.33) ; v1(281.12,100.62) 279.53,102.22 v1(279.53,107.83)
Column4: length 760.8
  Top w0.2: v1(94.22,101.33) 94.22,99.42 94.32,99.33 ; 94.32,99.33 94.22,99.33 v1(91.62,96.72) ; 94.32,99.33 v1(99.72,99.33) ; v1(54.02,22.03) v1(56.63,22.03) ; v1(121.92,84.62) 121.53,84.22 v1(121.53,80.61) ; v1(317.12,102.92) 317.12,99.42 v1(317.23,99.33) ; v1(22.12,63.53) v1(22.12,61.32) ; v1(317.23,84.12) 317.23,82.62 v1(313.23,78.62) ; v1(152.32,42.43) 152.32,40.43 v1(151.72,39.82) ; v1(277.23,48.22) 275.73,46.72 v1(275.73,41.43) ; v1(21.93,67.03) 21.83,67.12 20.73,67.12 20.73,86.24 17.69,89.28 15.18,89.28 ; 15.18,89.28 A1.16 ; 15.18,89.28 16.73,90.83 16.73,108.42 16.93,108.22 23.29,108.22 26.23,105.29 26.23,104.96 25.84,104.57 26.05,104.36 26.05,103.69 26.03,103.67 26.03,95.76 26.46,95.32 28.32,97.19 28.32,97.47 28.78,97.92 29.12,97.92 v1(29.12,98.33) ; v1(299.03,113.33) 299.03,108.83 v1(298.43,108.22) ; v1(231.12,46.43) 230.12,45.42 230.12,41.93 230.62,41.43 v1(236.83,41.43) ; v1(33.52,100.53) 31.33,100.53 v1(31.12,100.33) ; v1(118.32,113.42) 118.32,108.53 v1(118.12,108.33) ; v1(141.69,46.91) 141.62,46.85 141.62,44 v1(141.6,43.99) ; v1(321.23,62.32) v1(321.23,59.03) ; v1(245.62,39.62) 246.42,40.43 v1(246.42,41.43) ; v1(137.62,63.92) 137.53,64.02 v1(137.53,65.32) ; 227.22,60.53 v1(227.12,60.53) 227.22,60.62 227.22,71.82 229.03,73.62 229.03,77.42 v1(226.92,79.53) ; 178.92,85.12 v1(178.82,85.03) 179.82,84.03 v1(179.82,79.12) ; v1(78.32,101.03) v1(76.12,101.03)
  Bottom w0.2: v1(22.12,63.53) 22.12,66.82 v1(21.93,67.03) ; v1(121.92,84.62) 121.92,89.42 123.62,91.12 123.62,98.42 123.53,98.53 118.32,98.53 ; v1(236.83,41.43) v1(246.42,41.43) 246.62,41.23 254.03,41.23 254.22,41.43 v1(275.73,41.43) ; v1(22.12,61.32) 22.52,61.72 33.03,61.72 33.22,61.53 33.22,42.93 30.73,42.93 30.83,42.82 30.83,21.22 41.83,21.22 42.62,22.03 v1(54.02,22.03) ; 89.09,93.47 89.09,94.19 v1(91.62,96.72) ; v1(121.53,80.61) 123.37,78.77 125.27,78.77 125.62,79.12 136.72,79.12 ; v1(245.62,39.62) 246.26,38.99 SW68.1 ; v1(317.23,99.33) v1(317.23,84.12) ; v1(179.82,82.92) 180.12,83.22 192.13,83.22 196.03,79.33 226.73,79.33 v1(226.92,79.53) ; v1(137.62,63.92) 140.83,63.92 141.48,63.26 SW50.1 141.48,47.12 v1(141.69,46.91) ; 118.32,98.53 117.53,99.33 v1(99.72,99.33) ; 118.32,98.53 118.32,108.12 v1(118.12,108.33) ; v1(277.23,48.22) 277.43,48.43 286.62,48.43 286.73,48.32 286.74,48.34 SW86.1 286.74,59.84 290.73,63.82 309.83,63.82 310.04,64.04 314.56,59.52 320.73,59.52 v1(321.23,59.03) ; v1(33.52,100.53) 34.32,99.73 73.23,99.73 74.53,101.03 v1(76.12,101.03) ; SW23.1 179.76,93.47 179.53,93.22 179.53,88.03 178.82,87.33 v1(178.82,85.03) ; v1(231.12,46.43) 232.03,47.32 232.03,52.53 231.92,52.62 232.72,53.43 232.72,60.12 227.53,60.12 v1(227.12,60.53) ; 136.72,79.12 v1(179.82,79.12) ; 136.72,79.12 136.82,79.03 136.74,78.94 SW41.1 136.74,66.11 v1(137.53,65.32) ; v1(298.43,108.22) 311.83,108.22 v1(317.12,102.92) ; SW14.1 298.67,113.68 v1(299.03,113.33) ; v1(152.32,42.43) 151.53,41.63 141.82,41.63 141.82,41.72 141.72,41.82 141.72,43.87 v1(141.6,43.99) ; v1(151.72,39.82) 151.01,39.11 SW59.1 ; SW77.1 58.14,20.51 v1(56.63,22.03) ; v1(78.32,101.03) 78.62,100.73 93.63,100.73 v1(94.22,101.33) ; SW5.1 117.67,114.08 v1(118.32,113.42) ; v1(31.12,100.33) v1(29.12,98.33) ; v1(313.23,78.62) 313.86,78.62 321.62,70.86 321.23,70.46 v1(321.23,62.32)
